# KiCad board beaglebone-ai-rev-a2.kicad_pcb (continued)
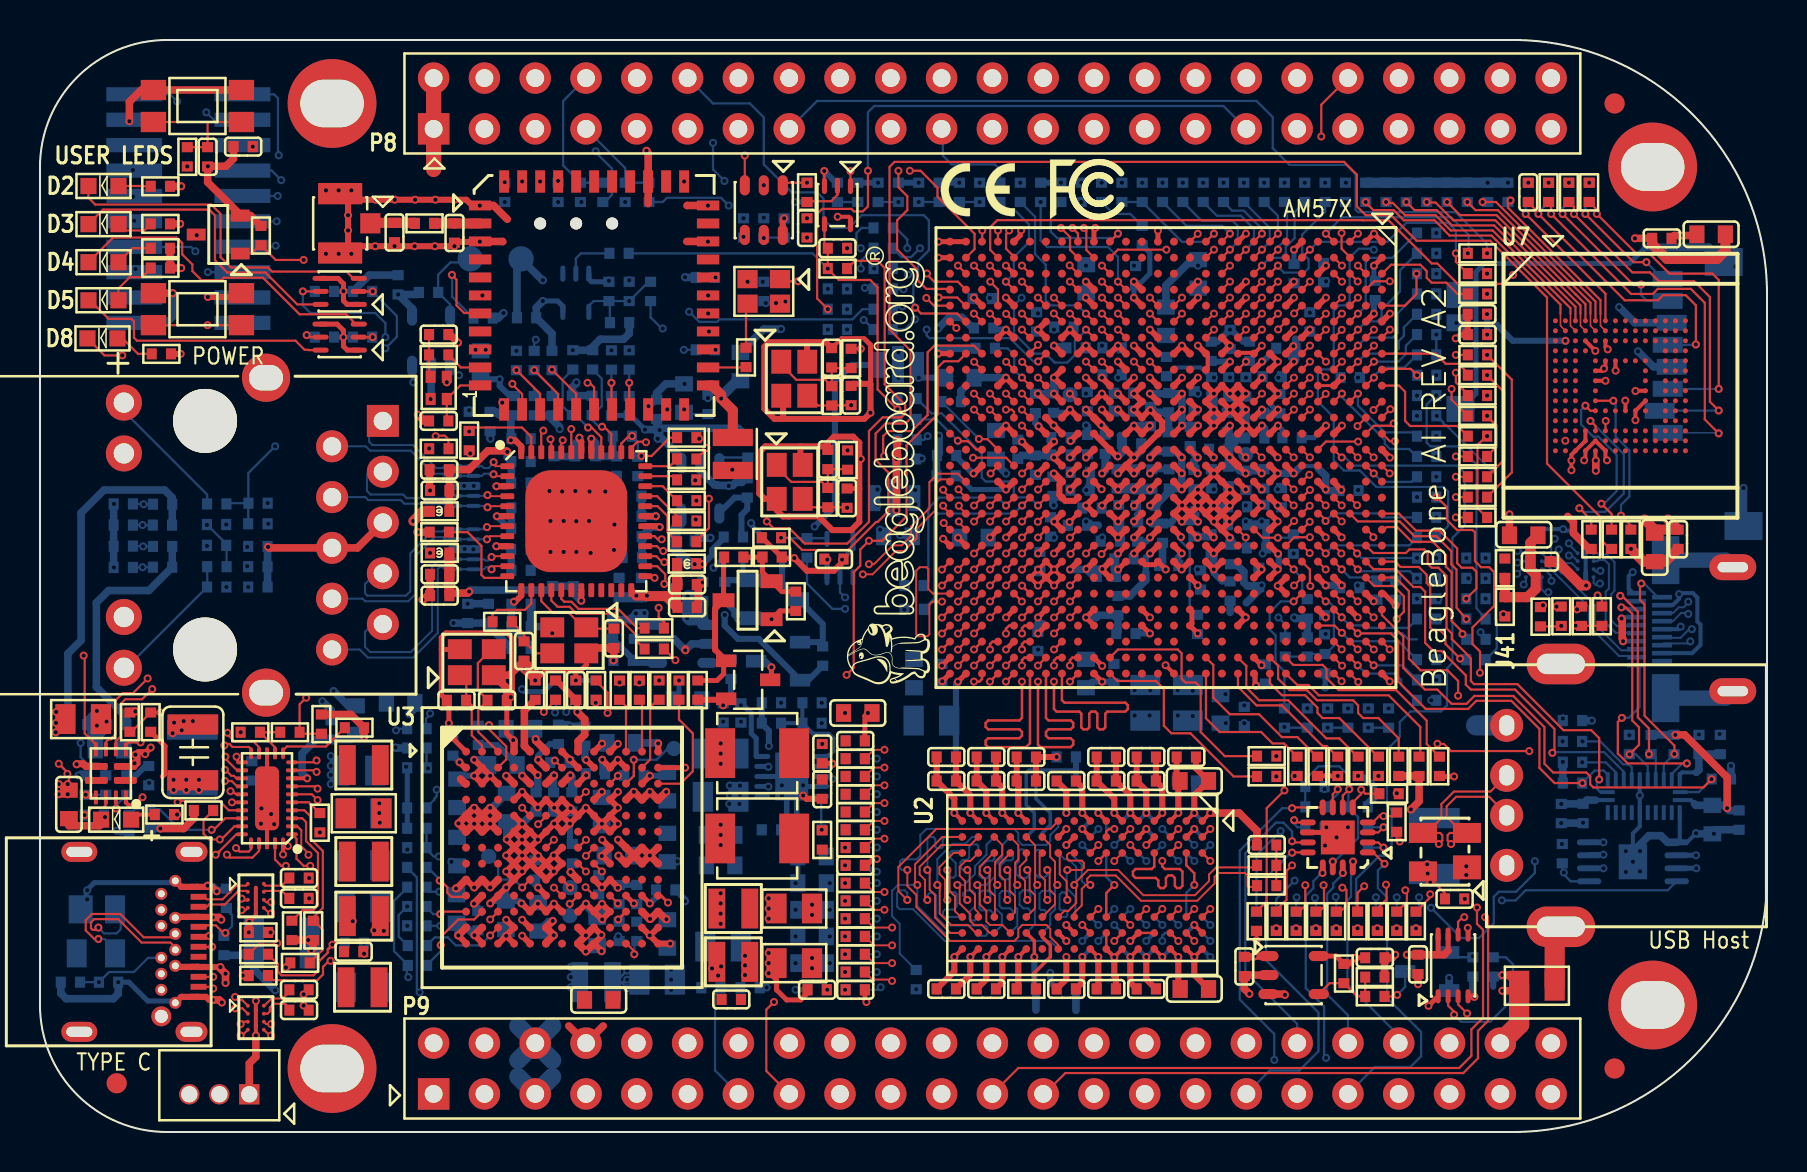
[diagram p0: board, top side]
## Routing (per net, layer and track width the routed paths; a pad name or vN(x,y) marks a point on that pad's centre or on a via; arc(x,y) is an arc through that point) (continued)
  BOTTOM w0.114: R334.1 24.71,39.55 v1(24.79,39.62)
PHY_RESET: length 14.8
  TOP w0.114: U14.43 v1(26.57,35.15)
  INT_L3 w0.102: v1(26.57,35.15) 26.31,35.41 26.31,37.54 27.08,38.3 27.08,40.56 28.07,41.55 v1(29.46,41.55)
  BOTTOM w0.114: C495.1 28.5,41.5 R190.2 ; C495.1 v1(29.46,41.55) 30.43,42.52 R641.2 ; C495.1 27.69,41.55 27.45,41.31 U90.4
PHY_VDD_1V0: length 14.4
  TOP w0.305: U14.42 27.07,34.53 26.97,34.62 v1(26.97,34.72) ; U14.31 v1(30.8,30.8) ; v1(29.82,26.82) 29.82,26.84 U14.24 ; U14.6 v1(22.85,30.8)
  TOP w0.508: FB9.2 31.86,27.4 C65.1 31.8,27.31 31.8,26.31 ; C66.1 31.8,26.31 ; 31.8,26.31 31.32,26.8 30.38,26.8 v1(30.35,26.82) v1(29.82,26.82)
  SIG_L5 w0.381: v1(29.82,26.82) v1(30.35,26.82)
  BOTTOM w0.305: C74.1 23.47,30.18 v1(22.85,30.8)
  BOTTOM w0.381: C73.1 23.57,30.18 C74.1 ; C71.1 25.71,33.78 C72.1 26.75,34.39 26.97,34.62 v1(26.97,34.72) ; v1(30.8,30.8) 30.78,30.78 C70.1 30.08,31.79 C67.1
  BOTTOM w0.508: v1(29.82,26.82) 30,26.82 C76.1 C75.1
PHY_VDDA_2V5: length 10.8
  TOP w0.305: U14.3 v1(22.82,32.3) ; U14.9 v1(22.82,29.3)
  TOP w0.381: FB8.2 20.46,32.07 C56.1 20.47,33.1 C57.1 21.45,33.12 22.39,34.06 23.32,34.06 v1(23.37,34.01)
  BOTTOM w0.305: v1(22.82,29.3) 23.4,29.3 C62.1 ; v1(22.82,32.3) 23.4,32.3 C64.1
  BOTTOM w0.381: v1(23.37,34.01) 23.37,33.73 C63.1 23.57,32.47 C64.1 ; C62.1 23.56,28.1 C59.1
  vias: v1(10.41,27.25)
PHY_VDDIO_3V3: length 38.6
  TOP w0.305: U14.19 v1(27.07,26.57) ; U14.30 30.91,30.3 30.95,30.25 v1(30.99,30.25) ; U14.41 v1(27.57,34.67)
  TOP w0.381: C46.1 20.6,26.95 21.39,26.95 v1(21.46,27.03) ; R475.2 v1(19.46,34.18)
  TOP w0.508: C46.1 C45.1 FB3.2
  SIG_L5 w0.381: v1(21.46,27.03) 21.01,27.03 20.04,26.06 v1(18.72,26.06)
  SIG_L8 w0.381: v1(8.35,29.31) 9.25,29.31 v1(11.39,31.45) 12.46,31.45 13.55,30.37 15.27,30.37 15.98,29.65 15.98,27.28 16.41,26.85 17.93,26.85 v1(18.72,26.06)
  BOTTOM w0.381: 28.82,33.79 C48.1 27.79,34.45 v1(27.57,34.67) ; 28.82,33.79 28.64,33.97 R167.1 ; 28.82,33.79 C47.1 ; v1(27.07,26.57) 27.05,26.57 26.67,26.95 C55.1 25.64,27.3 C54.1 25.43,27.1 21.54,27.1 v1(21.46,27.03) ; v1(26.64,39.1) R170.1 27.64,39.26 28.02,39.65 29.18,39.65 29.46,39.93 R190.1 ; C50.1 30.1,29.75 C53.1 30.56,30.25 v1(30.99,30.25) ; R141.1 v1(21.46,36.09)
PMIC_INT: length 91.2
  TOP w0.114: v1(63.53,27.31) 63.5,27.33 63.5,28.13 U4.F21
  SIG_L8 w0.102: v1(63.53,27.31) 63.88,26.95 67.56,26.95 68.68,28.07 69.14,28.07 69.24,27.97 69.24,27.36 69.47,27.13 69.47,26.44 69.65,26.26 70.26,26.26 70.61,25.91 70.61,25.53 70.76,25.37 70.76,24.66 71.37,24.05 71.37,21.74 70.82,21.18 70.82,21.16 70.79,21.13 70.79,19.33 69.75,18.29 69.75,16.21 68.66,15.11 67.79,15.11 67.56,14.88 67.56,14 67.69,13.87 67.69,12.12 67.36,11.79 67.36,9.91 66.7,9.25 66.7,6.48 65.91,5.69 51.99,5.69 51.46,5.16 51.46,4.09 50.98,3.61 36.37,3.61 36.09,3.89 36.09,5.11 35.51,5.69 20.28,5.69 v1(18.99,6.99)
  BOTTOM w0.114: R152.2 18.36,13.21 18.85,12.73 18.85,7.12 v1(18.99,6.99)
PMIC_RSTOUTn: length 74.3
  TOP w0.114: U6.1 v1(40.53,48.05)
  TOP w0.12: U3.G6 v1(25.7,14.61)
  INT_L3 w0.102: v1(25.7,14.61) 26.11,15.03 26.11,20.62 v1(25.76,20.98)
  SIG_L5 w0.102: v1(25.76,20.98) 25.25,21.49 24.84,21.49 24.59,21.23 23.04,21.23 22.12,22.15 22.12,22.16 18.68,22.16 15.93,24.92 15.93,37.44 14.88,38.48 12.85,38.48 11.62,39.71 11.62,43.32 12.83,44.53 12.83,46.99 13.84,48.01 31.14,48.01 31.57,48.44 40.14,48.44 v1(40.53,48.05)
  BOTTOM w0.114: R124.1 25.81,21.59 25.81,21.03 v1(25.76,20.98)
PWR_BUT: length 69.3
  TOP w0.114: S3.2 v1(8.38,40.35) S3.4
  SIG_L5 w0.102: v1(27.79,21.46) 27.94,21.62 32.99,21.62 33.68,20.93 34.42,20.93 34.67,20.68 34.67,18.72 35.97,17.42 35.97,16.41 34.62,15.06 34.62,6.17 34.16,5.72 29.11,5.72 28.55,5.16 28.55,3.18 29.82,1.91 P9.9
  SIG_L8 w0.102: v1(27.79,21.46) 27.61,21.46 27.24,21.83 27.24,25.23 26.75,25.73 21.26,25.73 17.97,29.02 17.18,29.02 15.47,30.73 13.82,30.73 10.99,33.57 10.99,36 8.38,38.61 v1(8.38,40.35)
R6_GPIO7_3: length 58.8
  TOP w0.114: R634.1 63.97,11.02 64.21,11.26 64.21,12.32 v1(64.19,12.34) ; v1(69.88,19.41) 69.89,19.41 70.2,19.41 70.56,19.05 v1(74.47,19.05) ; U4.R6 v1(55.5,40.93)
  SIG_L5 w0.102: v1(74.47,19.05) 74.47,20.88 72.85,22.5 72.85,23.9 74.22,25.27 74.22,26.9 74.55,27.23 74.55,28.9 74.04,29.41 74.02,29.41 72.52,30.91 72.52,33.99 71.12,35.38 69.57,35.38 69.32,35.64 69.32,36.09 69.06,36.35 68.76,36.35 67.79,37.31 64.9,37.31 64.69,37.52 64.69,38.81 64.49,39.01 64.08,39.01 63.88,38.81 63.88,38.23 63.8,38.15 59,38.15 58.47,38.68 57.78,38.68 57.51,38.96 57.51,39.5 56.08,40.93 v1(55.5,40.93) ; v1(64.19,12.34) 63.6,12.93 63.6,17.45 65.02,18.87 69.39,18.87 69.88,19.36 v1(69.88,19.41)
RGMII0_RXC: length 37.9
  TOP w0.114: v1(33.45,31.67) 33.45,30.2 32.82,29.57 R114.1 ; U4.U5 v1(53.9,41.73)
  SIG_L10 w0.102: v1(33.45,31.67) 32.92,32.21 32.61,32.21 31.98,32.84 31.98,35.2 32.59,35.81 32.59,36.78 36.91,41.1 37.36,41.1 37.9,41.63 37.9,41.9 38.27,42.27 38.27,44.14 39.52,45.39 42.85,45.39 43.04,45.58 45.78,45.58 45.92,45.45 49.22,45.45 49.58,45.09 50.6,45.09 51.11,44.58 52.67,44.58 53.54,43.71 53.54,42.09 v1(53.9,41.73)
RGMII0_RXCTL: length 35.2
  TOP w0.114: U4.V5 v1(53.1,41.73)
  SIG_L10 w0.102: v1(32.97,34.67) 32.99,34.7 34.11,34.7 35.26,35.84 35.26,37.39 35.49,37.62 35.49,37.77 35.33,37.93 35.33,38.07 35.47,38.22 35.62,38.22 35.78,38.06 35.92,38.06 36.07,38.2 36.07,38.34 35.9,38.5 35.9,38.65 36.05,38.79 36.19,38.79 36.35,38.63 36.5,38.63 36.64,38.77 36.64,38.92 36.48,39.08 36.48,39.22 36.62,39.37 36.77,39.37 36.93,39.2 37.07,39.2 38.58,40.72 38.58,41.62 38.99,42.02 38.99,43.33 40.23,44.58 41.53,44.58 41.66,44.45 41.66,43.69 41.78,43.56 41.91,43.56 42.04,43.69 42.04,44.45 42.16,44.58 42.29,44.58 42.42,44.45 42.42,43.23 42.53,43.12 42.69,43.12 42.8,43.23 42.8,44.45 42.93,44.58 43.24,44.58 43.55,44.88 45.21,44.88 45.95,44.14 50.22,44.14 50.53,43.83 51.57,43.83 51.92,43.48 51.92,43.14 52.14,42.92 52.41,42.92 52.69,42.65 52.69,42.36 53.1,41.94 v1(53.1,41.73)
RGMII0_RXD0: length 36.3
  TOP w0.114: R106.1 32.79,30.59 v1(32.79,30.63) ; U4.W2 52.32,44.1 52.32,45.09 v1(52.2,45.21)
  SIG_L10 w0.102: v1(32.79,30.63) 32.82,30.67 32.82,30.93 31.34,32.41 31.34,35.41 31.01,35.74 31.01,36.86 34.77,40.61 34.77,41.4 35.51,42.14 36.6,42.14 37.72,43.26 37.72,45.72 38.35,46.35 40.39,46.35 40.7,46.04 46.01,46.04 46.1,45.95 49.45,45.95 49.56,45.85 50.86,45.85 51.12,45.59 51.82,45.59 v1(52.2,45.21)
RGMII0_RXD1: length 35.4
  TOP w0.114: U4.Y2 51.9,43.73 51.51,44.11 51.51,44.76 v1(51.05,45.21)
  SIG_L10 w0.102: v1(32.82,31.57) 32.77,31.57 31.72,32.61 31.72,36.73 32.03,37.03 32.41,37.03 32.87,37.5 32.87,37.64 32.66,37.85 32.66,37.99 32.8,38.14 32.95,38.14 33.16,37.93 33.3,37.93 33.44,38.07 33.44,38.22 33.24,38.43 33.24,38.57 33.38,38.71 33.52,38.71 33.73,38.5 33.88,38.5 34.31,38.94 34.31,39.08 34.11,39.28 34.11,39.42 34.26,39.57 34.4,39.57 34.6,39.37 34.74,39.37 35.1,39.73 35.1,41.2 35.74,41.83 36.97,41.83 37.53,42.39 37.53,42.67 37.97,43.11 37.97,44.96 38.23,45.21 38.64,45.21 39.55,46.12 40.17,46.12 40.49,45.81 45.89,45.81 46.02,45.67 49.37,45.67 49.58,45.47 50.8,45.47 v1(51.05,45.21)
RGMII0_RXD2: length 35
  TOP w0.114: U4.V3 v1(53.1,43.33) ; v1(32.77,32.59) 32.8,32.59 R110.1
  SIG_L10 w0.102: v1(32.77,32.59) 33.2,32.59 33.35,32.74 33.35,33.68 33.22,33.81 32.97,33.81 32.89,33.73 32.89,33.4 32.77,33.27 32.41,33.27 32.26,33.43 32.26,35.1 32.89,35.74 32.89,36.7 33.43,37.24 33.57,37.24 33.76,37.05 33.9,37.05 34.04,37.19 34.04,37.34 33.86,37.52 33.86,37.67 37.01,40.82 37.87,40.82 38.13,41.07 38.13,41.81 38.49,42.18 38.49,44.04 39.54,45.09 42.93,45.09 43.19,45.35 45.41,45.35 46.03,44.73 46.26,44.73 46.36,44.83 46.36,45.01 46.46,45.11 46.67,45.11 46.77,45.01 46.77,44.83 46.87,44.73 50.52,44.73 50.93,44.32 52.48,44.32 53.1,43.7 v1(53.1,43.33)
RGMII0_RXD3: length 35
  TOP w0.114: R111.1 33.32,34.16 v1(33.32,34.21) ; U4.V4 v1(53.1,42.53)
  SIG_L10 w0.102: v1(53.1,42.53) 53.1,42.68 52.68,43.11 52.68,43.53 52.12,44.08 50.72,44.08 50.38,44.42 46.01,44.42 45.32,45.12 43.35,45.12 43.05,44.83 39.7,44.83 39.49,44.63 39.49,44.48 39.57,44.41 39.57,44.27 39.42,44.12 39.28,44.12 39.21,44.19 39.06,44.19 38.72,43.85 38.72,42.08 38.35,41.71 38.35,40.89 37.2,39.74 36.39,39.74 34.92,38.28 34.92,37.73 34.82,37.62 34.54,37.62 34.44,37.52 34.44,37.32 34.54,37.22 34.82,37.22 34.92,37.12 34.92,36.91 34.82,36.81 34.54,36.81 34.44,36.71 34.44,36.51 34.54,36.41 34.82,36.41 34.92,36.3 34.92,36.02 34.69,35.79 34.55,35.79 34.39,35.95 34.25,35.95 34.1,35.8 34.1,35.66 34.26,35.5 34.26,35.36 34.04,35.13 33.78,35.13 33.67,35.23 33.67,35.59 33.57,35.69 33.37,35.69 33.27,35.59 33.27,35.23 33.17,35.13 32.79,35.13 32.56,34.9 32.56,34.39 32.74,34.21 v1(33.32,34.21)
RGMII0_TXC: length 24.1
  TOP w0.114: U14.29 30.73,29.8 30.89,29.64 v1(31.09,29.64)
  SIG_L10 w0.102: v1(41.19,40.61) 41.34,40.61 41.45,40.72 41.45,41.05 41.35,41.15 40.89,41.15 40.54,40.79 40.28,40.79 40,40.51 40,39.67 39.57,39.24 38.23,39.24 35.99,37.01 35.99,35.23 34.98,34.21 34.98,32.11 34.56,31.69 34.56,29.38 33.96,28.78 32.23,28.78 31.57,28.12 30.94,28.12 30.68,28.37 30.68,29.24 v1(31.09,29.64)
  BOTTOM w0.114: R97.2 41.21,40.61 v1(41.19,40.61)
RGMII0_TXCTL: length 24.1
  TOP w0.114: U14.37 29.57,34.22 29.87,34.52 30.28,34.52 v1(30.3,34.49)
  SIG_L10 w0.102: v1(32.46,41.02) 32.46,40.89 32.05,40.48 32.05,40.34 32.39,40 32.39,39.86 32.24,39.71 32.1,39.71 31.76,40.05 31.62,40.05 31.47,39.91 31.47,39.76 31.81,39.42 31.81,39.28 31.67,39.14 31.53,39.14 31.19,39.48 31.04,39.48 30.9,39.33 30.9,39.19 31.24,38.85 31.24,38.71 31.09,38.56 30.95,38.56 30.61,38.9 30.47,38.9 30.05,38.48 30.05,38.23 30.15,38.13 30.58,38.13 30.68,38.03 30.68,37.83 30.58,37.73 30.15,37.73 30.05,37.62 30.05,37.42 30.15,37.32 30.58,37.32 30.68,37.22 30.68,37.01 30.58,36.91 30.15,36.91 30.05,36.81 30.05,36.14 30.61,35.58 30.61,34.95 30.3,34.65 v1(30.3,34.49)
  BOTTOM w0.114: R96.2 41.13,41.15 40.62,40.64 33.99,40.64 33.86,40.51 32.97,40.51 v1(32.46,41.02)
RGMII0_TXD0: length 23.8
  TOP w0.114: v1(31.17,29.06) 31.09,29.06 30.85,29.3 U14.28
  SIG_L10 w0.102: v1(41.05,44.2) 40.89,44.2 39.75,43.05 39.75,41.99 39.55,41.78 39.14,41.78 38.81,41.45 38.81,40.54 35.48,37.21 35.48,35.51 33.76,33.78 33.76,32 33.93,31.83 33.93,29.54 33.71,29.31 31.42,29.31 v1(31.17,29.06)
  BOTTOM w0.114: R92.2 41.08,45.21 40.83,44.96 40.83,44.41 v1(41.05,44.2)
RGMII0_TXD1: length 23.7
  TOP w0.114: v1(31.22,28.5) 31.11,28.5 30.82,28.8 U14.27
  SIG_L10 w0.102: v1(31.22,28.5) 31.29,28.5 31.83,29.03 33.83,29.03 34.21,29.41 34.21,31.95 34.06,32.11 34.06,33.73 35.76,35.43 35.76,37.16 39.07,40.46 39.07,40.98 39.04,41 39.04,41.3 39.25,41.5 39.59,41.5 39.98,41.89 39.98,42.9 40.69,43.61 40.97,43.61 41.05,43.54 v1(41.05,43.18)
  BOTTOM w0.114: v1(41.05,43.18) 41.05,43.56 R93.2
RGMII0_TXD2: length 24.9
  TOP w0.114: v1(31.22,27.41) 31.27,27.46 31.27,27.89 30.86,28.3 U14.26
  SIG_L10 w0.102: v1(41.72,43.18) 42.16,42.74 42.16,40.58 41.47,39.88 41.02,39.88 39.88,38.74 38.68,38.74 36.63,36.68 36.63,35.03 35.51,33.91 35.51,31.8 35.18,31.47 35.18,28.73 33.58,27.13 32.89,27.13 32.66,27.36 31.27,27.36 v1(31.22,27.41)
  BOTTOM w0.114: R94.2 v1(41.72,43.18)
RGMII0_TXD3: length 23.4
  TOP w0.114: v1(30.73,27.71) 30.65,27.8 U14.25
  SIG_L10 w0.102: v1(30.73,27.71) 30.78,27.71 30.92,27.85 33.85,27.85 34.87,28.88 34.87,31.62 35.28,32.03 35.28,34.04 36.32,35.08 36.32,36.88 38.43,38.99 39.75,38.99 40.89,40.13 41.34,40.13 41.91,40.7 41.91,41.97 41.67,42.21 v1(41.25,42.21)
  BOTTOM w0.114: R95.2 41.63,42.21 v1(41.25,42.21)
RGMII_RST: length 37.4
  TOP w0.114: U4.N1 v1(57.89,44.92)
  INT_L3 w0.102: v1(29.46,42.6) 30.28,43.41 38.38,43.41 38.99,42.8 42.01,42.8 42.29,42.52 46.76,42.52 47.17,42.11 47.73,42.11 47.88,41.96 47.88,39.44 48.34,38.98 50.06,38.98 50.29,39.21 50.29,39.5 50.55,39.75 50.83,39.75 51.06,39.98 51.06,40.39 51.24,40.56 54.05,40.56 54.26,40.77 54.26,44.1 54.74,44.58 57.56,44.58 v1(57.89,44.92)
RST_PMIC_L: length 73.8
  SIG_L8 w0.102: v1(17.81,20.09) 17.81,19.84 17.21,19.24 17.21,17.31 19.51,15.01 30.65,15.01 30.92,14.73 30.92,6.59 31.32,6.2 36.3,6.2 36.75,5.74 50.93,5.74 51.41,6.22 60.71,6.22 62.23,7.75 62.23,12.78 62.43,12.98 62.76,12.98 63.25,13.47 63.25,19.24 v1(62.23,20.26)
  BOTTOM w0.114: R159.1 17.89,20.17 v1(17.81,20.09) ; R58.2 R57.2 v1(62.23,20.26)
STATUS_LED0: length 53.4
  TOP w0.114: v1(16.64,42.04) T2.2 ; U4.J11 v1(61.1,36.93)
  SIG_L5 w0.102: v1(17.27,39.19) 19.13,41.05 22.58,41.05 23.47,41.94 32.72,41.94 32.99,42.21 33.66,42.21 36.25,39.62 41.47,39.62 41.72,39.37 46.48,39.37 46.93,38.93 54.06,38.93 54.31,39.17 54.31,39.52 54.51,39.73 56.06,39.73 57.66,38.13 58.09,38.13 58.29,37.92 58.29,37.57 58.55,37.31 60.93,37.31 61.1,37.14 v1(61.1,36.93)
  BOTTOM w0.114: v1(17.27,39.19) 17.84,39.76 17.84,40.81 R390.1 v1(16.64,42.04)
SYS_RESETn1: length 2.5
  BOTTOM w0.114: R680.2 27.05,43.94 26.8,43.69 U90.2
SYS_RESETn2: length 32.5
  SIG_L5 w0.102: v1(40.26,26.16) 40.03,26.16 38.33,24.46 38.33,18.31 37.64,17.63 37.64,16.66 37.13,16.15 36.09,16.15 34.87,14.94 34.87,6.02 34.26,5.41 30.81,5.41 P9.10
  BOTTOM w0.114: R55.2 38.35,27.43 39.62,26.16 v1(40.26,26.16)
T9_GPIO_4: length 52.5
  TOP w0.114: U4.T9 v1(54.7,38.53)
  SIG_L5 w0.102: v1(62.84,11.73) 63.22,11.73 63.65,12.17 63.65,12.55 63.37,12.83 63.37,17.6 65.81,20.04 65.81,21.62 65.48,21.95 65.48,24.28 65.76,24.56 67.92,24.56 68.43,24.05 70.23,24.05 70.69,24.51 72.11,24.51 72.67,25.07 72.67,26.92 72.44,27.15 72.24,27.15 71.86,27.53 71.86,28.07 71.7,28.22 71.7,30.1 71.3,30.51 71.3,33.07 70.99,33.38 69.24,33.38 68.15,34.47 68.15,34.8 68.05,34.9 58.57,34.9 58.34,35.13 58.34,36.3 58.09,36.55 56.52,36.55 55.88,37.19 55.88,37.97 55.7,38.15 55.08,38.15 v1(54.7,38.53)
  BOTTOM w0.114: R638.1 62.81,11.71 v1(62.84,11.73)
TypeC_VBUS: length 41.8
  TOP w0.127: 1.45,17.91 v1(0.94,18.42) ; 1.45,17.91 C456.1 ; 1.45,17.91 1.45,17.98
  TOP w0.305: 6.82,8.26 J42.B4 ; 6.82,8.26 6.82,8.26 7.88,8.26 ; 6.82,8.26 7.88,8.26 ; v1(8.64,10.73) 8.61,10.76 7.87,10.76 ; J42.A4 7.88,10.76 ; 7.88,10.76 6.82,10.76 6.81,10.76 ; 7.88,10.76 7.87,10.76 ; 6.81,10.76 J42.B9 ; 6.81,10.76 7.87,10.76 ; 7.88,8.26 7.88,8.26 ; 7.88,8.26 J42.A9 ; v1(9.02,8.25) 7.89,8.25 7.88,8.26
  TOP w0.356: v1(1.83,18.39) 1.85,18.42 2.16,18.42 2.29,18.28 U12.7
  TOP w0.381: v1(9.02,8.25) 9.02,8.17 v1(9.28,7.92) v1(9.28,7.45) ; v1(9.07,10.62) 8.95,10.73 v1(8.64,10.73)
  INT_L3 w0.254: v1(9.07,10.62) 9.47,10.62 9.73,10.36 9.73,10.01 10.85,8.89 12.01,8.89 12.5,9.37 12.5,10.06 12.8,10.36 12.8,14 13.79,14.98 v1(14,14.98)
  SIG_L8 w0.508: 6.77,7.55 6.77,8.31 7.48,8.31 ; 7.54,10.71 6.77,10.71 J42.B9 6.77,11.47
  BOTTOM w0.381: C457.1 1.4,23.93 2.06,24.59 2.06,30.96 3.2,32.11 6.23,32.11 6.61,31.72 R71.1 6.61,30.36 R554.1
  vias: v1(0.91,17.93) v1(0.94,17.4) v1(0.93,16.89) v1(1.37,18.42) v1(1.37,17.91) v1(1.38,17.4) v1(1.38,16.89)
U13_VCC33: length 25.8
  TOP w0.203: U13.8 v1(13.36,17.69)
  TOP w0.381: v1(16.21,19.76) R45.1 15.54,20.88 R51.1 ; R52.1 7.69,15.68 7.19,15.18 v1(6.02,15.18)
  SIG_L10 w0.381: v1(16.21,19.76) 10.98,19.76 10.24,20.5 8.3,20.5 6.02,18.22 v1(6.02,15.18)
  BOTTOM w0.381: R53.1 v1(6.02,15.18) ; v1(13.36,17.69) 13.11,17.94 13.11,18.92 13.82,19.63 C28.1 15.54,19.63 FB1.2 16.08,19.89 v1(16.21,19.76)
UART1_RXD: length 21.7
  TOP w0.114: v1(71.22,10.74) 71.15,10.74 70.91,10.51 U46.6 ; U4.B27 v1(66.69,23.33)
  SIG_L5 w0.102: v1(66.69,23.33) 66.9,23.13 66.9,21.08 67.26,20.73 70.18,20.73 70.76,20.14 70.76,18.75 69.85,17.83 69.85,16.23 70.94,15.14 70.94,14.25 70.41,13.72 70.41,11.18 70.84,10.74 v1(71.22,10.74)
  BOTTOM w0.114: v1(66.69,23.33) 68.13,23.33 R173.2
UART1_TXD: length 20.4
  TOP w0.114: U4.C26 v1(65.89,24.13) ; U46.5 71.41,10.2 v1(71.4,10.21)
  SIG_L5 w0.102: v1(65.89,24.13) 66.29,23.73 66.29,22 66.04,21.74 66.04,21.01 66.32,20.73 66.79,20.73 67.03,20.49 70.07,20.49 70.54,20.02 70.54,18.9 69.52,17.88 69.52,14.15 70.18,13.49 70.18,11.05 71.02,10.21 v1(71.4,10.21)
UART6_CTSN: length 38.1
  TOP w0.114: U37.41 25.91,47.43 v1(25.91,47.56) ; U4.R5 v1(55.5,41.73)
  SIG_L8 w0.102: v1(25.91,47.56) 26.1,47.56 26.47,47.19 26.47,46.28 26.09,45.9 26.09,44.91 26.42,44.58 30.33,44.58 31.5,43.41 34,43.41 34.54,42.86 34.54,41.07 36.06,39.56 40.29,39.56 40.53,39.8 42.59,39.8 42.59,39.8 43.39,39.8 43.67,39.52 45.82,39.52 46.81,40.51 49.21,40.51 49.47,40.77 49.47,41.15 49.66,41.34 55.12,41.34 v1(55.5,41.72)
  BOTTOM w0.114: R413.2 v1(25.91,47.56)
UART6_RTSN: length 44
  TOP w0.114: U4.P5 v1(57.1,41.73)
  SIG_L8 w0.102: v1(23.24,47.5) 23.69,47.94 24.38,47.94 24.57,47.75 24.57,46.91 24.41,46.75 24.41,44.76 25.15,44.02 30.15,44.02 31.98,42.19 33.63,42.19 34.04,41.78 34.04,40.74 35.97,38.81 40.18,38.81 41.19,38.81 42.16,38.81 42.7,39.34 43.15,39.34 43.97,38.53 45.64,38.53 46.61,39.5 49.47,39.5 49.73,39.76 56.52,39.76 57.53,40.77 57.53,41.21 57.1,41.64 v1(57.1,41.73)
UART6_RXD: length 39.5
  TOP w0.114: U4.P6 v1(57.1,40.93)
  SIG_L8 w0.102: v1(25.01,47.53) 25.01,46.54 25.86,45.69 25.86,44.6 26.14,44.32 30.25,44.32 31.42,43.15 33.87,43.15 34.26,42.76 34.26,40.92 35.94,39.24 40.51,39.24 40.84,39.57 42.68,39.57 43.29,39.57 43.57,39.29 45.97,39.29 46.41,39.73 49.25,39.73 49.47,39.94 49.47,40.32 49.66,40.51 56.69,40.51 v1(57.1,40.93)
UART6_TXD: length 38.4
  TOP w0.114: U4.R9 v1(55.5,38.53)
  SIG_L8 w0.102: v1(24.11,47.53) 24.11,44.65 24.98,43.78 29.93,43.78 32.26,41.45 33.48,41.45 33.78,41.15 33.78,40.64 35.84,38.58 40.25,38.58 41.29,38.58 43.21,38.58 43.26,38.53 43.49,38.3 45.82,38.3 46.74,39.22 49.43,39.22 49.72,38.93 55.1,38.93 v1(55.5,38.53)
USB1_DM: length 86.8
  TOP w0.109: 7.88,9.26 J42.A7 v1(8.61,9.26) ; J42.B7 6.59,9.74 5.19,9.74 4.02,10.9 2.6,10.9 2.29,10.59 2.29,10.08 2.72,9.65 v1(2.92,9.65) ; v1(49.1,36.13) U4.AC12
  INT_L3 w0.114: v1(2.92,9.65) 3.05,9.78 3.51,9.78 4.38,8.9 4.38,4.84 5.59,3.63 11.3,3.63 13.37,5.7 14.72,5.7 15.28,6.26 15.28,19.47 17.28,21.48 21.07,21.48 23.39,23.8 27.03,23.8 27.41,24.18 27.41,24.66 27.64,24.89 30.65,24.89 32.02,26.26 32.02,28.95 36.04,32.97 37.8,32.97 40.02,35.19 45.38,35.19 45.55,35.03 47.41,35.03 48.12,35.74 48.5,35.74 48.89,36.13 v1(49.1,36.13)
  SIG_L5 w0.109: v1(8.61,9.26) 8.63,9.28 8.67,9.28 8.72,9.32 8.76,9.32 8.89,9.45 8.89,9.98 8.61,10.26 8.21,10.26 7.65,9.7 6.98,9.7 J42.B7
  BOTTOM w0.109: D78.3 3.75,9.12 3.23,9.65 v1(2.92,9.65)
USB1_DP: length 87.9
  TOP w0.109: v1(2.92,10.22) 2.8,10.11 2.63,10.11 2.55,10.19 2.55,10.48 2.71,10.64 3.91,10.64 5.08,9.47 6.53,9.47 6.77,9.24 J42.B6 ; v1(8.46,9.8) 8.33,9.68 8.01,9.68 J42.A6 ; v1(48.3,36.13) 48.59,36.13 48.7,36.02 U4.AD12
  INT_L3 w0.114: v1(2.92,10.22) 3.1,10.05 3.62,10.05 4.65,9.01 4.65,4.95 5.7,3.9 11.19,3.9 13.26,5.97 14.61,5.97 15.01,6.37 15.01,19.58 17.17,21.74 20.96,21.74 23.28,24.07 26.92,24.07 27.14,24.29 27.14,24.77 27.52,25.16 30.54,25.16 31.76,26.37 31.76,29.06 35.93,33.24 37.68,33.24 39.91,35.46 43.49,35.46 43.6,35.57 43.6,36.01 43.72,36.12 43.95,36.12 44.06,36.01 44.06,35.6 44.2,35.46 44.4,35.46 44.52,35.57 44.52,36.01 44.63,36.12 44.86,36.12 44.98,36.01 44.98,35.6 45.12,35.46 45.49,35.46 45.66,35.29 47.3,35.29 48.01,36 48.18,36 v1(48.3,36.13)
  SIG_L5 w0.109: v1(8.46,9.8) 8.43,9.83 8.2,9.83 7.8,9.42 7.8,8.99 7.72,8.92 7.44,8.92 7.34,9.02 7.34,9.3 7.24,9.4 7.05,9.4 J42.B6
  BOTTOM w0.109: v1(2.92,10.22) 3.21,9.93 3.83,9.93 4.04,10.14 4.04,10.85 D78.2
USB2_DM: length 85.9
  TOP w0.109: U4.AF11 v1(46.7,36.93) ; 73.34,15.83 73.34,15.89 72.47,16.76 70.82,16.76 70.34,16.29 70.34,15.77 71.15,14.96 ; v1(70.56,14.4) 70.39,14.58 70.39,14.85 70.5,14.96 71.15,14.96 ; D79.2 71.15,14.96
  SIG_L10 w0.114: v1(46.7,36.93) 46.72,36.91 46.61,36.79 46.32,36.79 45.8,37.31 40.42,37.31 39.1,36 39.1,29.53 38.71,29.13 38.71,22.23 37.5,21.02 37.5,16.37 37.08,15.95 37.08,6.58 37.83,5.83 66.26,5.83 70.36,9.93 70.36,14.2 v1(70.56,14.4)
USB2_DP: length 85.8
  TOP w0.109: 69.34,14.96 70.02,14.96 70.13,14.85 70.13,14.58 v1(69.95,14.4) ; 69.34,14.96 D79.3 ; 69.34,14.96 70.08,15.7 70.08,16.4 70.71,17.03 72.53,17.03 73.34,17.84 ; U4.AE11 v1(47.5,36.93)
  SIG_L10 w0.114: v1(47.5,36.93) 47.1,36.53 46.21,36.53 45.69,37.05 40.53,37.05 39.37,35.89 39.37,29.42 38.98,29.02 38.98,22.11 37.77,20.91 37.77,16.26 37.35,15.84 37.35,6.69 37.94,6.1 66.15,6.1 70.09,10.04 70.09,14.26 v1(69.95,14.4)
USB2_DRVVBUS: length 64
  TOP w0.114: U4.AC10 v1(49.1,37.73)
  SIG_L5 w0.102: v1(49.1,37.73) 49.35,37.73 49.75,38.13 54.03,38.13 54.28,38.38 54.28,38.66 54.53,38.91 55.85,38.91 56.36,38.4 56.36,37.74 56.79,37.31 58.17,37.31 58.32,37.16 58.32,36.7 58.5,36.53 58.93,36.53 59.11,36.35 59.11,35.89 59.26,35.74 65.79,35.74 66.57,36.53 67.87,36.53 68.14,36.26 68.14,35.9 68.88,35.15 70.93,35.15 72.24,33.85 72.24,30.86 73.06,30.04 73.06,28.21 73.79,27.48 73.79,27.23 73.99,27.03 73.99,25.37 72.62,24 72.62,22.61 72.21,22.2 72.21,12.22 72.85,11.58 v1(73.1,11.58)
  BOTTOM w0.114: v1(49.1,37.73) 48.72,38.11 48.72,38.86 48.39,39.19 R112.1 ; v1(73.1,11.58) 73.79,11.58 74.29,12.09 81.4,12.09 U48.4
USB_RXN0: length 47.2
  TOP w0.109: v1(13.83,18.58) 13.74,18.49 12.6,18.49 ; v1(46.71,36.13) 47.1,35.73 U4.AF12
  INT_L3 w0.114: v1(46.71,36.13) 46.57,36.26 46.35,36.26 46.23,36.13 46.23,35.8 46.12,35.69 45.96,35.69 45.85,35.8 45.85,36.13 45.72,36.26 45.45,36.26 44.85,36.87 42.17,36.87 42.06,36.75 42.06,36.39 41.94,36.27 41.74,36.27 41.6,36.41 41.6,36.75 41.49,36.87 40.37,36.87 37.72,34.21 34.77,34.21 33.74,33.19 32.65,33.19 29.41,29.95 29.41,26.82 28.38,25.79 24.21,25.79 20.71,22.29 16.85,22.29 13.46,18.9 13.46,18.58 13.57,18.47 13.72,18.47 v1(13.83,18.58)
USB_RXP0: length 47.3
  TOP w0.109: U4.AE12 v1(47.5,36.13) ; v1(13.83,18.01) 13.75,18.09 U13.9
  INT_L3 w0.114: v1(47.5,36.13) 47.1,36.53 45.56,36.53 44.96,37.13 40.26,37.13 37.61,34.48 34.66,34.48 33.63,33.45 32.54,33.45 29.15,30.06 29.15,26.93 28.27,26.06 24.1,26.06 20.6,22.56 16.74,22.56 13.2,19.01 13.2,18.47 13.46,18.21 13.63,18.21 v1(13.83,18.01)
USB_TXN0: length 51.8
  TOP w0.109: U13.7 13.76,17.29 v1(13.88,17.17) ; U4.AC11 v1(49.1,36.93)
  INT_L3 w0.114: v1(49.1,36.93) 48.7,36.52 48.13,36.52 47.91,36.74 47.91,37.13 47.66,37.38 45.28,37.38 44.42,38.24 40.37,38.24 37.54,35.41 33.14,35.41 28.24,30.51 28.24,27.54 27.9,27.19 23.63,27.19 19.53,23.09 16.69,23.09 12.79,19.19 12.79,17.61 13.28,17.12 13.83,17.12 v1(13.88,17.17)
USB_TXP0: length 51.7
  TOP w0.109: U13.6 13.59,16.89 v1(13.88,16.6) ; U4.AD11 v1(48.3,36.93)
  INT_L3 w0.114: v1(13.88,16.6) 13.62,16.86 13.17,16.86 12.52,17.5 12.52,19.3 16.58,23.36 19.42,23.36 23.52,27.46 27.79,27.46 27.98,27.65 27.98,30.62 33.03,35.67 37.43,35.67 40.26,38.51 44.53,38.51 45.39,37.64 47.77,37.64 48.3,37.11 v1(48.3,36.93)
USB_VBUS: length 8.5
  TOP w0.114: C327.1 70.26,11.94 D79.4 69.16,12.83 v1(69.52,12.47)
  PWR_L6 w0.381: 72.46,14.22 73.34,13.34 ; 73.34,13.34 74.23,14.22 ; 73.34,13.34 72.46,12.45
  BOTTOM w0.254: v1(78.18,13.87) 77.49,13.87 U48.7 ; U48.6 v1(78.18,13.19) ; U48.8 v1(78.18,14.49)
  vias: v1(69.37,13.39) v1(69.39,12.93)
VCONN_FAULT: length 68.6
  TOP w0.114: U4.AD2 48.7,43.78 48.31,44.17 48.31,44.91 48.46,45.06 v1(48.46,45.09) ; U13.24 9.73,15.29 9.09,14.66 9.02,14.66 v1(8.99,14.63) 8.46,14.63 8.18,14.91 8.18,15.6 R52.2
  INT_L3 w0.102: v1(8.99,14.63) 8.97,14.66 8.48,14.66 8.23,14.91 8.23,15.32 8.41,15.49 10.19,15.49 10.69,16 10.69,18.54 13.74,21.58 13.74,22.17 16,24.43 18.52,24.43 20.6,26.52 20.6,36.53 22.84,38.77 22.84,39.43 22.82,39.45 22.82,41.21 25.98,44.37 28.95,44.37 29.74,45.16 38.94,45.16 39.24,45.47 39.69,45.47 39.74,45.41 40.03,45.41 40.09,45.47 48.08,45.47 v1(48.46,45.09)
VTT: length 0.6
  TOP w0.127: v1(39.37,7.11) C60.2
  BOTTOM w0.254: U1.3 39.5,17.78 v1(39.62,17.65)
  vias: v1(39.5,13.78) v1(39.5,12.45) v1(39.5,11.11) v1(39.5,9.78) v1(39.5,8.45) v1(40.26,14.22) v1(40.26,13.34) v1(40.26,12.45) v1(40.26,11.56) v1(40.26,10.67) v1(40.26,9.78) v1(40.26,8.89) v1(40.26,8) v1(40.26,7.11)
Net-(C14-Pad1): length 5.1
  TOP w0.114: X7.1 36.83,33.36 36.83,33.25 37.57,32.51 39.09,32.51 R11.1 C14.1 40.36,33.15 R14.1
Net-(C16-Pad1): length 5
  TOP w0.114: X8.1 37.07,38.37 37.82,37.62 39.27,37.62 R12.1 C16.1 39.62,38.2 R15.1
Net-(C21-Pad1): length 1
  TOP w0.381: U3.C1 21.26,17.42 21.03,17.65
  BOTTOM w0.381: v1(18.47,20.9) 18.75,21.18 C21.1
  vias: v1(18.92,20.9)
Net-(C49-Pad2): length 2
  TOP w0.114: C49.2 R29.1 R26.1
Net-(C51-Pad2): length 6.3
  TOP w0.114: X6.3 22.59,24.15 21.89,23.45 21.89,22.1 22.38,21.62 C51.2 22.38,21.56 21.92,21.11 21.92,20.01 U3.A3
Net-(C52-Pad2): length 4.3
  TOP w0.114: X6.1 21.32,22.52 21.32,22.19 C52.2 21.34,21.59 21.59,21.34 21.59,19.84 22.11,19.32 U3.A2
Net-(C69-Pad1): length 94.7
  TOP w0.114: R56.1 78.52,29.16 78.05,29.63 78.05,30.74 75.36,33.43 75.36,41.73 72.52,44.57 68.84,44.57 67.56,45.85 66.29,45.85 65.85,46.29 65.85,47.88 65.21,48.51 42.74,48.51 42.48,48.26 42.48,40.13 43.54,39.08 43.54,35.69 43.28,35.43 42.29,35.43 41.78,34.93 41.78,33.62 42.42,32.98 42.42,31.04 41.88,30.51 41.81,30.51 40.41,29.11 38.11,29.11 37.5,29.72 v1(37.06,29.72)
  SIG_L5 w0.102: v1(37.06,29.72) 35.53,29.72 35.08,30.18 35.08,34.29 33.45,35.92 32.94,35.92 30.78,38.07 30.78,39.83 v1(31.14,40.18)
  BOTTOM w0.114: v1(31.14,40.18) 31.09,40.18 30.53,40.74 R641.1 ; U8.4 39.32,29.69 R55.1 37.08,29.69 v1(37.06,29.72)
